# KiCad board V1.3.kicad_pcb
date: 2023-04-19; rev: 1.6.1; company: Antmicro Ltd; note: www.antmicro.com
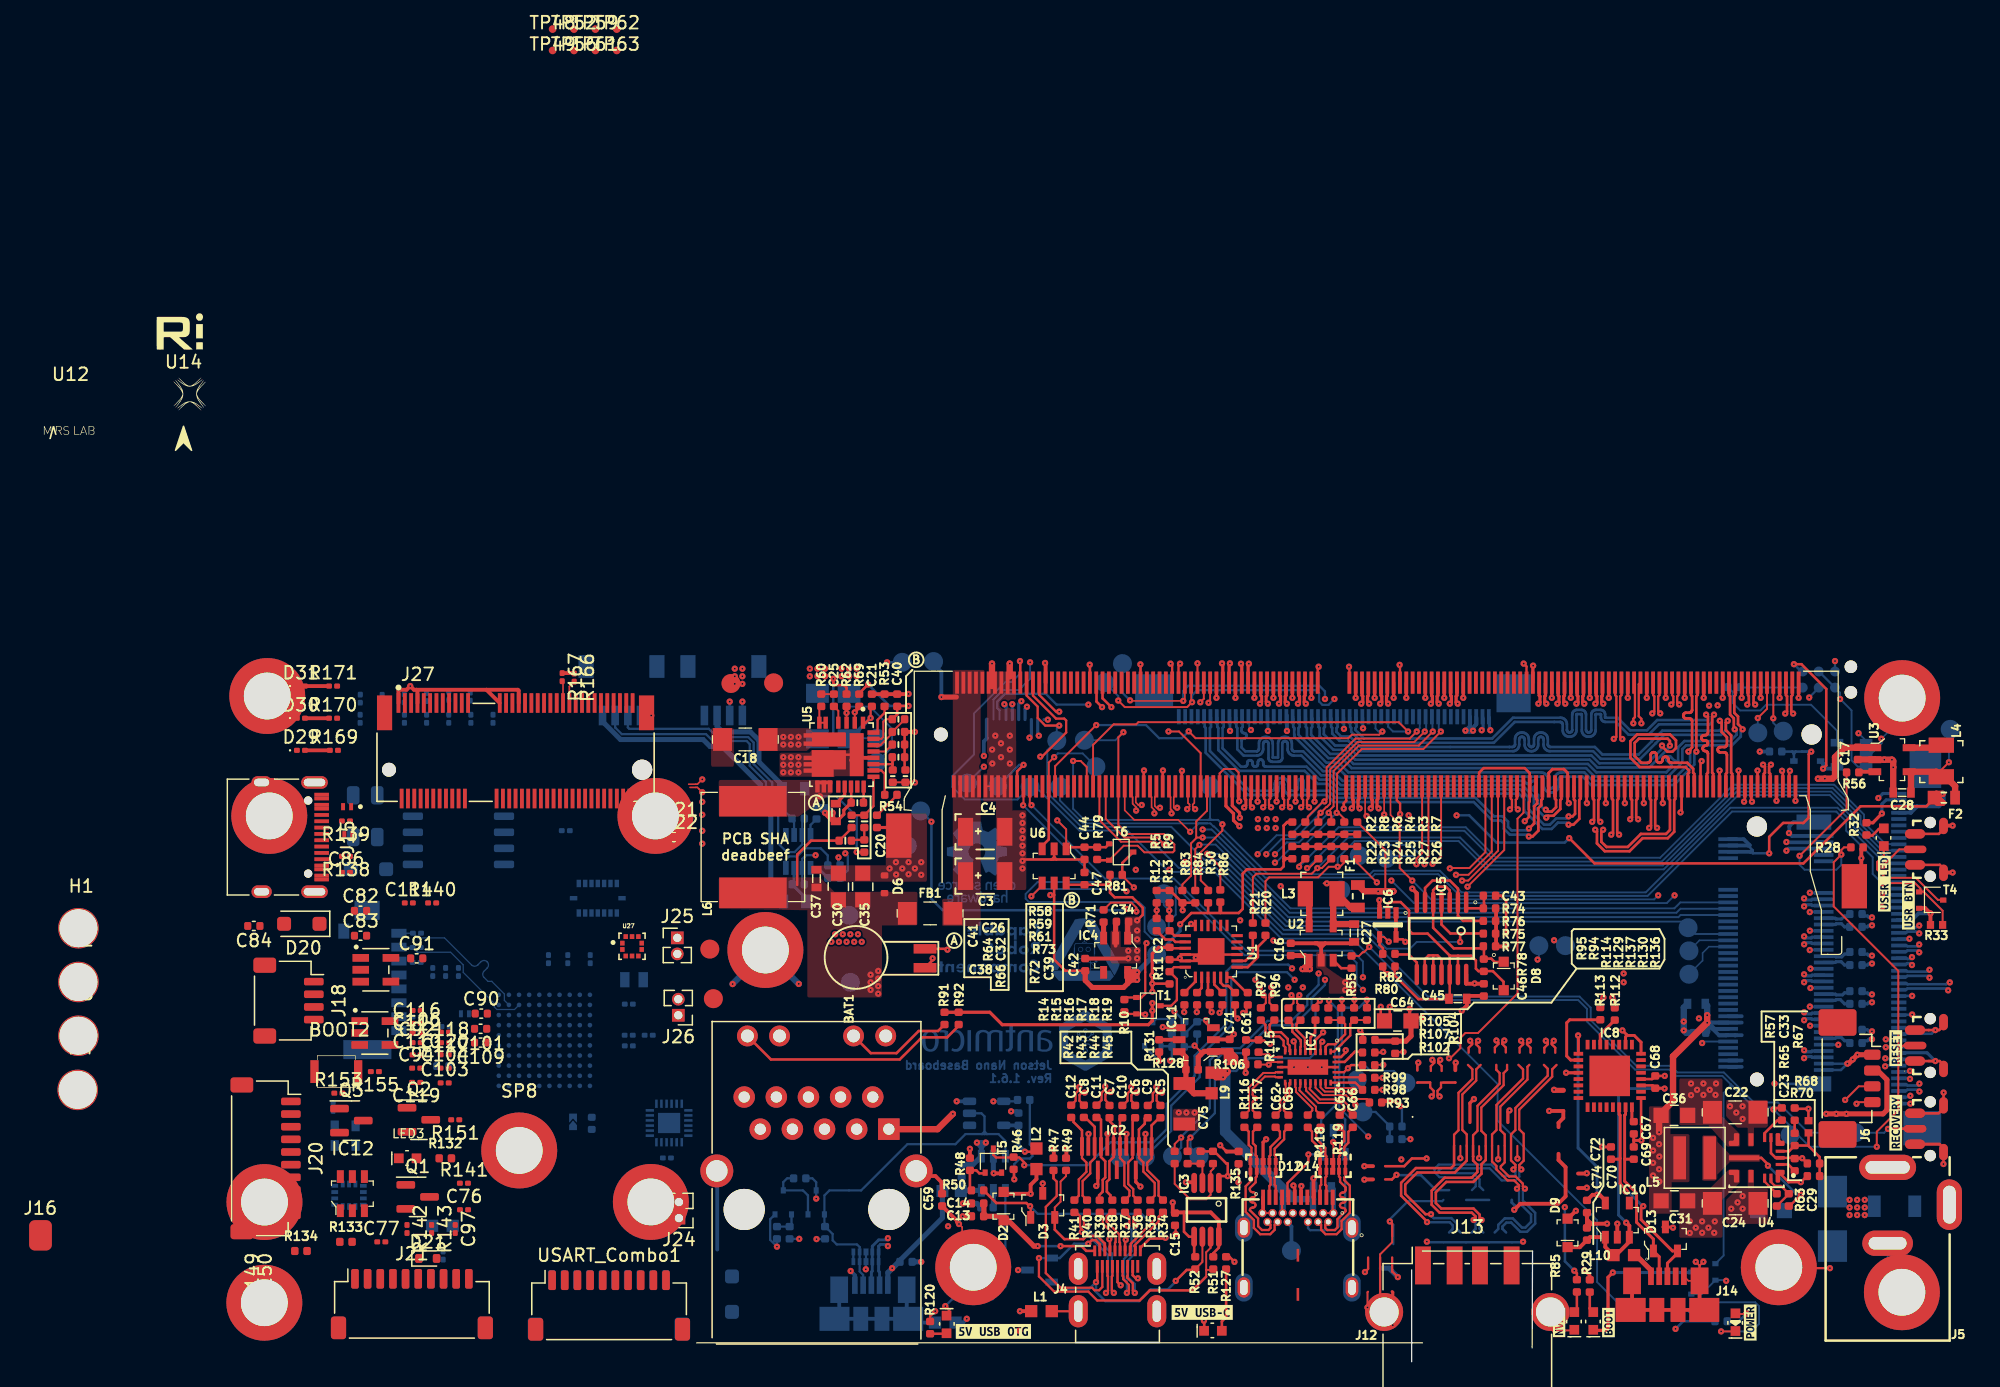
[diagram p0: board, top side]
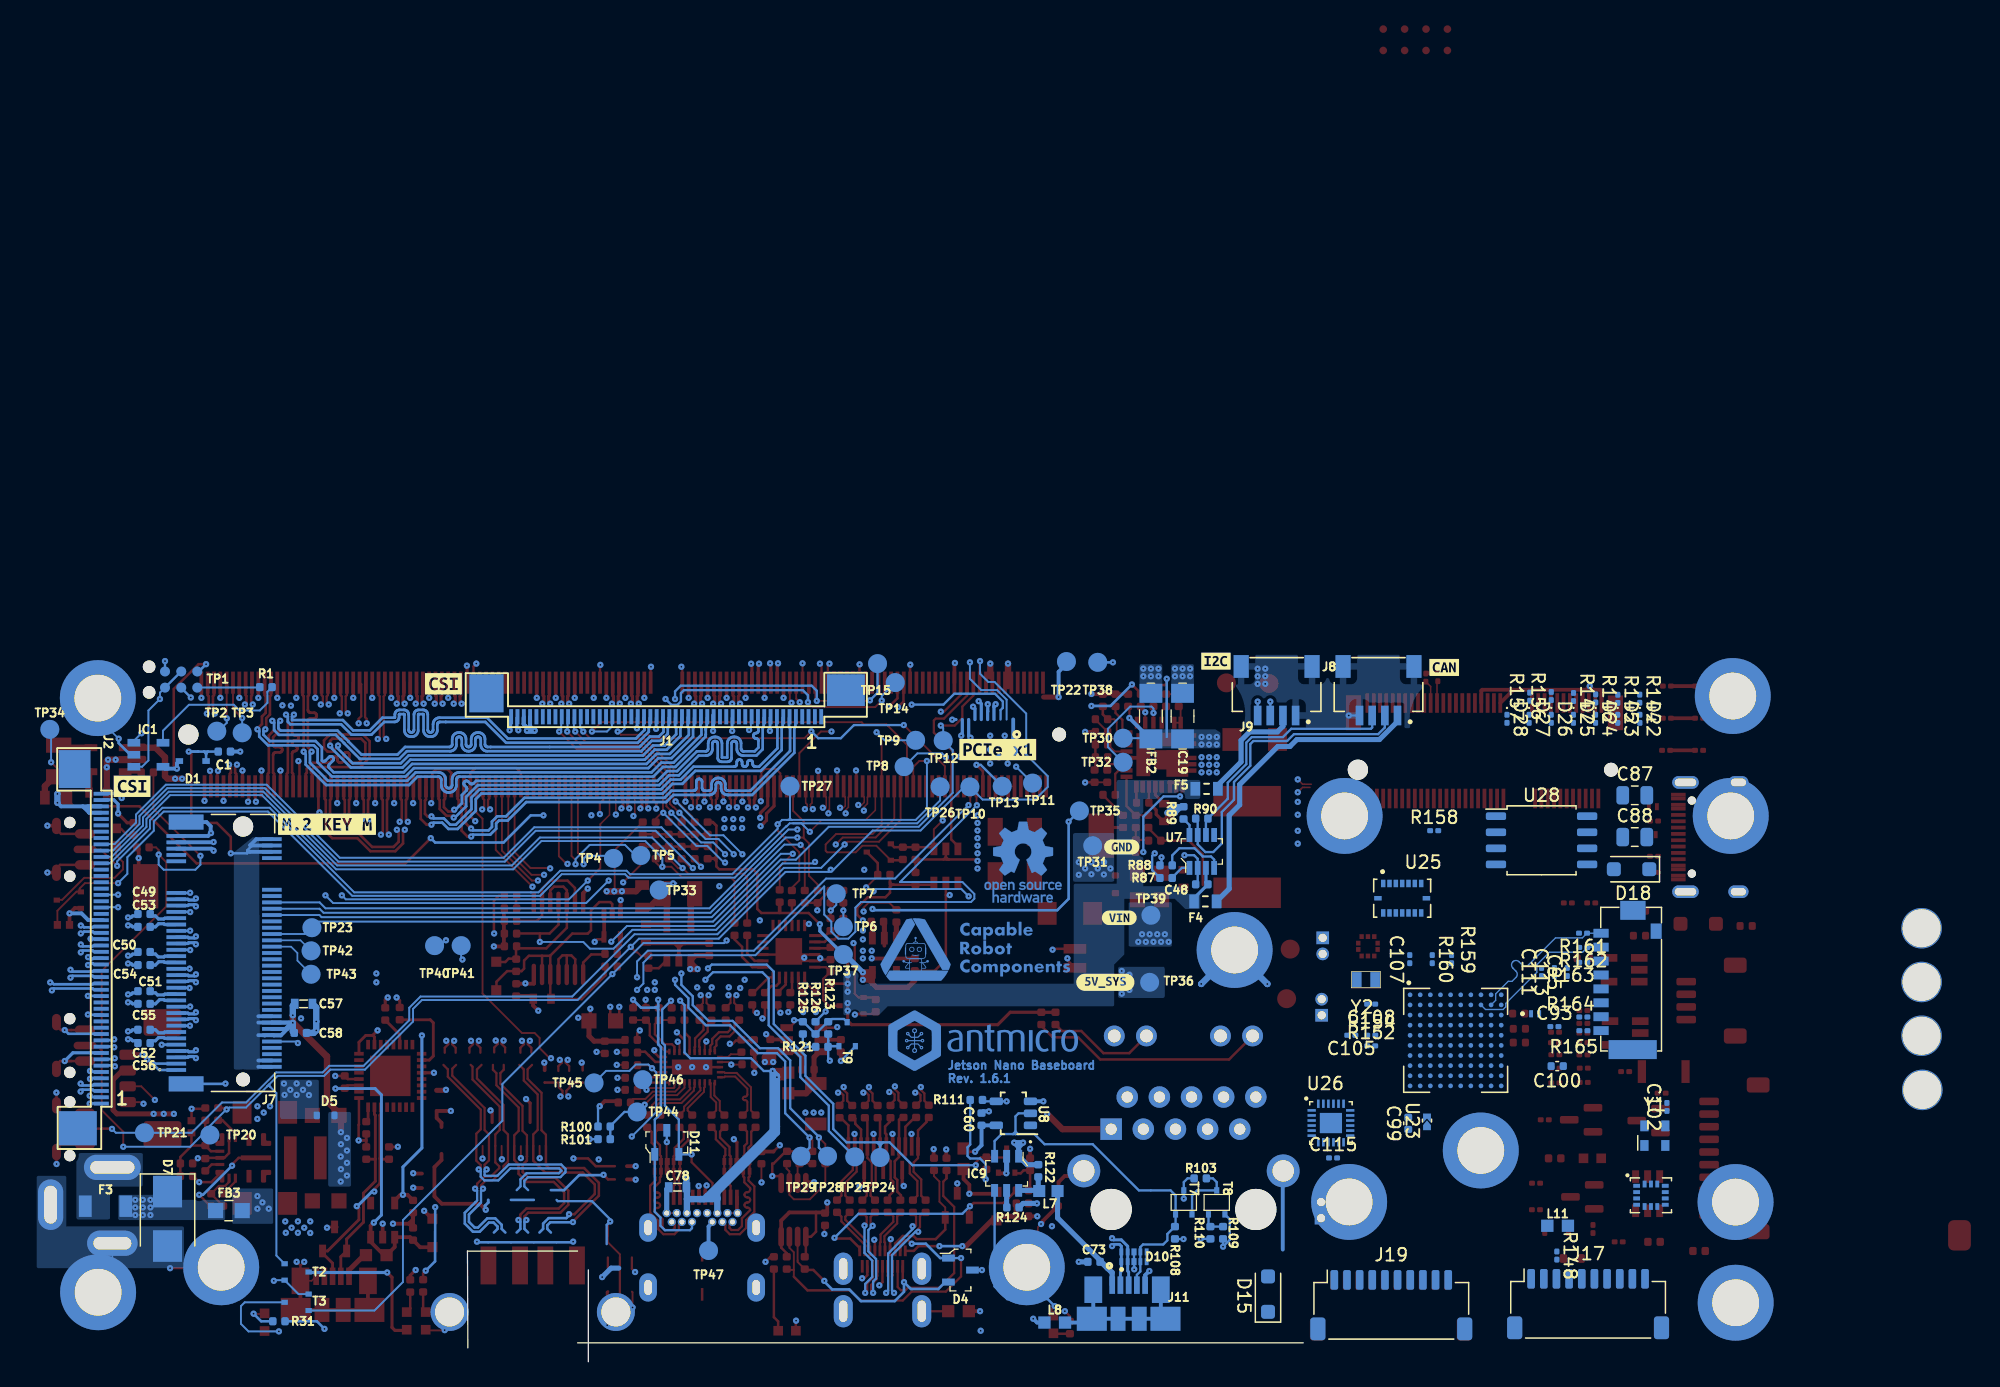
[diagram p1: board, bottom side, seen from below]

Outline 66.04 x 8.75 mm; copper layers: Top, In1.Cu (plane), In2.Cu (plane), In3_SIGNAL.Cu, In4_GND.Cu (plane), In5_3V3_SYS_SIGNAL.Cu, In6_GND.Cu (plane), Bottom. Coordinates in mm from the lower left corner of the outline.
Outline path: 0,1.49 57.34,1.49 ; 56.49,7.26 56.49,0 ; 57.34,8.75 66.04,8.75 66.01,1.09
Stack: Top 0.035mm / dielectric 0.1857mm FR4 er 4.5 / In1.Cu 0.035mm / dielectric 0.1857mm FR4 er 4.5 / In2.Cu 0.035mm / dielectric 0.1857mm FR4 er 4.5 / In3_SIGNAL.Cu 0.035mm / dielectric 0.1857mm FR4 er 4.5 / In4_GND.Cu 0.035mm / dielectric 0.1857mm FR4 er 4.5 / In5_3V3_SYS_SIGNAL.Cu 0.035mm / dielectric 0.1857mm FR4 er 4.5 / In6_GND.Cu 0.035mm / dielectric 0.1857mm FR4 er 4.5 / Bottom 0.035mm

## Placement (name value [footprint] x y rotation side)
BAT1  -  [MS621FE-FL11E]  18.04 31.9 90 top
BOOT1  ~  [LED0603]  70.84 3.17 90 top
BOOT2  TD-1183SN-1.5H(3x2.5)  [3x2.5PushButton]  -28.48 22.94 0 top
C1  C_100n_0402  [0402-cap]  85.25 48.24 0 bottom
C2  C_100n_0402  [0402-cap]  37.36 32.27 270 top
C3  C_330u_KEMET_B  [KEMET_B]  21.24 38.4 0 top
C4  C_330u_KEMET_B  [KEMET_B]  21.24 41.9 0 top
C5  C_100n_0402  [0402-cap]  36.64 19.77 270 top
C6  C_100n_0402  [0402-cap]  34.64 19.77 270 top
C7  C_100n_0402  [0402-cap]  32.62 19.77 270 top
C8  C_100n_0402  [0402-cap]  30.59 19.8 270 top
C9  C_100n_0402  [0402-cap]  35.64 19.77 270 top
C10  C_100n_0402  [0402-cap]  33.63 19.77 270 top
C11  C_100n_0402  [0402-cap]  31.59 19.8 270 top
C12  C_100n_0402  [0402-cap]  29.59 19.8 270 top
C13  C_4u7_0402  [0402-cap]  22.19 11.5 0 top
C14  C_4u7_0402  [0402-cap]  22.19 12.51 0 top
C15  C_100n_0402  [0402-cap]  37.79 11.27 90 top
C16  C_2u2_0402  [0402-cap]  46.94 32.6 90 top
C17  C_2u2_0402  [0402-cap]  91.74 48.1 270 top
C18  C_10u_1206_50V  [1206-cap]  3.84 49.2 180 top
C19  C_10u_1206_50V  [1206-cap]  9.54 51.05 90 bottom
C20  C_270p_25V_0402  [0402-res]  14.24 42.72 90 top
C21  C_100n_0402_50V  [0402-cap]  13.84 52.3 90 top
C22  C_10u_1206_50V  [1206-cap]  82.06 19.72 180 top
C23  C_1u_0402  [0402-cap]  86.76 15.58 90 top
C24  C_10u_1206_50V  [1206-cap]  82.06 12.52 180 top
C25  C_100n_0402  [0402-cap]  10.84 52.3 90 top
C26  C_33n_0402  [0402-cap]  12.69 44.2 180 top
C27  C_10u_0603  [0603-cap]  51.94 33.9 270 top
C28  C_10u_0603  [0603-cap]  95.24 45 180 top
C29  C_100n_0402  [0402-cap]  86.29 12.8 90 top
C30  C_47u_0805  [0805-cap]  11.19 37.57 90 top
C31  C_10u_0805  [0805-cap]  77.25 12.72 0 top
C32  C_1n2_50V_0402  [0402-res]  13.24 42.72 90 top
C33  C_6p_0402  [0402-cap]  86.76 19.58 270 top
C34  C_2u2_0402  [0402-cap]  33.65 34.79 180 top
C35  C_47u_0805  [0805-cap]  13.12 37.57 90 top
C36  C_47u_0805  [0805-cap]  77.25 19.48 0 top
C37  C_10u_0603  [0603-cap]  9.47 38.2 90 top
C38  C_1n2_50V_0402  [0402-res]  11.74 41.2 0 top
C39  C_100n_0402  [0402-cap]  16.49 46.3 270 top
C40  C_1u_0402  [0402-cap]  15.84 52.3 90 top
C41  C_4u7_0603  [0603-cap]  10.99 43.42 270 top
C42  C_1u_0402  [0402-cap]  30.7 31.39 90 top
C43  C_47n_0402  [0402-cap]  62.64 36.85 180 top
C44  C_100n_0402  [0402-cap]  30.64 40.2 90 top
C45  C_10u_0603  [0603-cap]  60.14 28.7 180 top
C46  C_100n_0402  [0402-cap]  62.19 29.4 90 top
C47  C_100n_0402  [0402-cap]  30.64 38.2 270 top
C48  C_100n_0402  [0402-cap]  8.02 37.74 180 bottom
C49  C_100n_0402  [0402-cap]  91.6 35.4 0 bottom
C50  C_100n_0402  [0402-cap]  91.6 32.4 0 bottom
C51  C_100n_0402  [0402-cap]  91.6 29.3 0 bottom
C52  C_100n_0402  [0402-cap]  91.6 26.25 0 bottom
C53  C_100n_0402  [0402-cap]  91.6 34.38 0 bottom
C54  C_100n_0402  [0402-cap]  91.6 31.36 0 bottom
C55  C_100n_0402  [0402-cap]  91.6 28.29 0 bottom
C56  C_100n_0402  [0402-cap]  91.6 25.2 0 bottom
C57  C_10u_0603  [0603-cap]  78.99 28.3 0 bottom
C58  C_100n_0402  [0402-cap]  79.24 26 0 bottom
C59  C_100p_0402  [0402-cap]  19.39 12.8 270 top
C60  C_100n_0402  [0402-cap]  25.42 19.17 270 bottom
C61  C_100n_0402  [0402-cap]  43.41 24.96 270 top
C62  C_100n_0402  [0402-cap]  45.74 19.02 90 top
C63  C_100n_0402  [0402-cap]  50.81 19.02 90 top
C64  C_47u_0805  [0805-cap]  55.39 26.95 0 top
C65  C_100n_0402  [0402-cap]  46.76 19.02 90 top
C66  C_100n_0402  [0402-cap]  51.84 19.02 90 top
C67  C_100n_0402  [0402-cap]  74.04 18.5 90 top
C68  C_100n_0402  [0402-cap]  75.74 22.11 270 top
C69  C_47p_0402  [0402-cap]  74.04 16.5 270 top
C70  C_47p_0402  [0402-cap]  72.24 16.5 270 top
C71  C_10u_0402  [0402-cap]  42.11 25 90 top
C72  C_1u_0402  [0402-cap]  70.34 12.27 90 top
C73  C_4u7_0402  [0402-cap]  16.54 7.9 180 bottom
C74  C_2u2_0402  [0402-cap]  70.34 10.1 270 top
C75  100u  [1206]  38.52 20.4 90 top
C76  1u  [C_0201_0603Metric]  -18.38 12.02 0 top
C77  120u  [C_0201_0603Metric]  -24.92 9.48 0 top
C78  C_10u_0603  [0603-cap]  49.44 13.79 180 bottom
C82  1uF(0402 16V 10%)  [C_0402_1005Metric]  -26.56 35.65 0 top
C83  1uF(0402 16V 10%)  [C_0402_1005Metric]  -26.56 33.68 0 top
C84  1uF(0402 16V 10%)  [C_0402_1005Metric]  -34.99 34.45 180 top
C86  100nF(0201 16V 10%)  [C_0201_0603Metric]  -27.71 38.69 0 top
C87  22uF(0805 35V 20%)  [C_0805_2012Metric]  -26.19 44.78 180 bottom
C88  22uF(0805 35V 20%)  [C_0805_2012Metric]  -26.19 41.48 180 bottom
C90  1uF(0402 10V 10%)  [C_0402_1005Metric]  -17.02 27.52 0 top
C91  1uF(0402 10V 10%)  [C_0402_1005Metric]  -22.12 31.89 0 top
C92  100nF(0201 10V 10%)  [C_0201_0603Metric]  -22.13 25.22 0 top
C93  100nF(0201 10V 10%)  [C_0201_0603Metric]  -19.84 26.49 180 bottom
C94  100nF(0201 10V 10%)  [C_0201_0603Metric]  -22.16 23.21 0 top
C95  100nF(0201 10V 10%)  [C_0201_0603Metric]  -20.86 30.81 90 bottom
C97  100nF(0201 10.0V 10%)  [C_0201_0603Metric]  -19.08 10.49 270 top
C99  2.2uF(0402 6.3V 10%)  [C_0402_1005Metric]  -8.29 18.85 90 bottom
C100  2.2uF(0402 6.3V 10%)  [C_0402_1005Metric]  -20.06 23.37 0 bottom
C101  4.7uF(0402 10V)  [C_0402_1005Metric]  -17.07 26.32 180 top
C102  15pF(0201 10V)  [C_0201_0603Metric]  -28.73 20.14 90 bottom
C103  100nF(0201 6.3V)  [C_0201_0603Metric]  -19.91 22.04 0 top
C104  1uF(0201 6.3V)  [C_0201_0603Metric]  -19.92 23.21 0 top
C105  100nF(0201 10V 10%)  [C_0201_0603Metric]  -3.79 25.81 0 bottom
C106  100nF(0201 10V 10%)  [C_0201_0603Metric]  -22.13 25.99 0 top
C107  12.0pF(0201 10V)  [C_0201_0603Metric]  -8.41 31.83 90 bottom
C108  12.0pF(0201 10V)  [C_0201_0603Metric]  -5.36 28.27 0 bottom
C109  2.2uF(0402 6.3V 10%)  [C_0402_1005Metric]  -17.07 25.23 180 top
C110  10nF(0201 10V 10%)  [C_0201_0603Metric]  -22.13 24.26 0 top
C111  100nF(0201 10V 10%)  [C_0201_0603Metric]  -18.82 30.81 90 bottom
C112  100nF(0201 10V 10%)  [C_0201_0603Metric]  -22.13 27.76 180 top
C113  100nF(0201 10V 10%)  [C_0201_0603Metric]  -19.84 30.81 90 bottom
C114  100nF(0201 10V 10%)  [C_0201_0603Metric]  -22.75 36.27 0 top
C115  100nF(0201 10V 10%)  [C_0201_0603Metric]  -2.35 16.11 180 bottom
C116  100.0nF(0201 10V)  [C_0201_0603Metric]  -22.13 26.75 0 top
C117  100nF(0201 10V)  [C_0201_0603Metric]  -19.89 26.05 180 top
C118  100.0nF(0201 10V)  [C_0201_0603Metric]  -19.88 25.22 0 top
C119  100nF(0201 10V 10%)  [C_0201_0603Metric]  -22.16 22.08 180 top
C120  100nF(0201 10V)  [C_0201_0603Metric]  -19.91 24.27 0 top
C121  100n  [C_0402_1005Metric]  -1.81 42.5 0 top
C122  100n  [C_0402_1005Metric]  -1.81 41.48 0 top
D1  diode  [SOD-323#2]  87.75 47.49 180 bottom
D2  1N4148WS  [SOD-323]  24.24 12.3 90 top
D3  PESD2USB5UV-TR  [SOT-23s]  27.34 12.36 90 top
D4  PESD2USB5UV-TR  [SOT-23s]  27.09 7.25 180 bottom
D5  ESD5B5_0ST1G  [SOD-523_NP]  77.25 19.48 180 bottom
D6  ESD5B5_0ST1G  [SOD-523_NP]  14.84 37.75 270 top
D7  SMBJ33A  [D_SMB]  89.74 11.3 270 bottom
D8  1N4148WS  [SOD-323]  63.77 30.5 270 top
D9  1N4148WS  [SOD-323]  68.81 10.19 90 top
D10  -  [TPD4E05U06_PASS]  13.38 8.3 180 bottom
D11  PESD2USB5UV-TR  [SOT-23s]  50.29 17.35 90 bottom
D12  -  [TPD4E05U06_PASS]  44.75 15.45 0 top
D13  PESD2USB5UV-TR  [SOT-23s]  76.54 9.71 90 top
D14  -  [TPD4E05U06_PASS]  50.25 15.45 180 top
D15  DSS34(3A 500mV)  [D_SOD-123F]  2.79 5.34 90 bottom
D16  PESD12VV1BL  [PESD12VV1BL_315]  -27.62 43.88 180 top
D17  -  [PESD5V0F1BL]  -18.32 27.51 180 bottom
D18  SMF30CA(30V)  [D_SOD-123F]  -25.94 38.94 0 bottom
D19  -  [PESD5V0F1BL]  -27.52 41.67 180 top
D20  DSS34(3A 500mV)  [D_SOD-123F]  -31.2 34.62 180 top
D21  BZX584C9V1  [D_SOD-523]  -21.25 8.16 0 top
D22  LED_Blue(0201)  [LED_0201_0603Metric]  -26.59 50.83 270 bottom
D23  LED_Blue(0201)  [LED_0201_0603Metric]  -24.84 50.83 270 bottom
D24  LED_Blue(0201)  [LED_0201_0603Metric]  -23.09 50.83 270 bottom
D25  LED_Blue(0201)  [LED_0201_0603Metric]  -21.34 50.83 270 bottom
D26  LED_RED(0201)  [LED_0201_0603Metric]  -19.59 50.83 270 bottom
D27  LED_BLUE(0201)  [LED_0201_0603Metric]  -17.84 50.83 270 bottom
D28  LED_Green(0201)  [LED_0201_0603Metric]  -16.09 50.83 270 bottom
D29  PWR LED  [LED_0201_0603Metric]  -31.27 48.34 0 top
D30  LED  [LED_0201_0603Metric]  -31.27 50.88 0 top
D31  LED  [LED_0201_0603Metric]  -31.27 53.42 0 top
F1  04671.25NR  [0603-Fuse-Littelfuse-0467]  52.24 36.8 90 top
F2  04671.25NR  [0603-Fuse-Littelfuse-0467]  98.54 44.6 0 top
F3  3413_0329_22  [1206]  94.64 12.3 180 bottom
F4  04671.25NR  [0603-Fuse-Littelfuse-0467]  7.74 36.4 180 bottom
F5  04671.25NR  [0603-Fuse-Littelfuse-0467]  7.64 45.3 180 bottom
FB1  74279221100  [1206-res]  18.44 35.45 0 top
FB2  74279221100  [1206-res]  12.04 51.05 270 bottom
FB3  74279220181  [0805-res]  84.89 11.95 180 bottom
H1  MountingHole_Pad  [M2MountingHole]  -48.85 34.27 0 top
H2  MountingHole_Pad  [M2MountingHole]  -48.85 30.02 0 top
H3  MountingHole_Pad  [M2MountingHole]  -48.85 25.77 0 top
H4  MountingHole_Pad  [M2MountingHole]  -48.91 21.49 0 top
IC1  AT24CS01-ST  [SOT23-5]  91.25 47.99 180 bottom
IC2  ~  [SON-15]  33.19 16.09 180 top
IC3  PCA9517ADP  [MSOP-8]  40.28 12.01 270 top
IC4  TPS7A0518PDBVT  [SOT-23-5]  33.1 32.14 180 top
IC5  74HC00PW  [TSSOP-14]  58.85 33.47 270 top
IC6  SN74LVC1G126DCKR  [R-PDSO-G5]  54.61 34.54 270 top
IC7  HD3SS3220  [RNH0030A]  48.29 23.29 270 top
IC8  ~  [QFN-32]  72.14 22.6 0 top
IC9  NCP380LSNAJAAT1G  [SOT-23-6]  23.44 14.9 0 bottom
IC10  TPS7A0518PDBVT  [SOT-23-5]  72.74 11.2 0 top
IC11  NCP380LSNAJAAT1G  [SOT-23-6]  39.47 25.46 90 top
IC12  NCP380LSNAJAAT1G  [SOT-23-6]  -27.21 13.29 0 top
J1  WE_68715014522  [WE_68715014522_ONE-SIDE]  50.34 50.4 0 bottom
J2  -  [WE_68715014022]  95.64 33.3 90 bottom
J4  46756-1001  [HDMI_Micro-D_Molex_46765-1x01]  33.25 3.99 0 top
J5  ~  [DC_SOCKET]  94.1 1.67 0 top
J6  533980471  [Molex_PicoBlade_53398-0471_1x04-1MP_P1.25mm_Vertical]  91.64 22.4 270 top
J7  ~  [MDT580M01001]  85.27 32.31 0 bottom
J8  -  [SM04B-SRSS-TB-LF-SN]  -5.94 51.09 0 bottom
J9  -  [SM04B-SRSS-TB-LF-SN]  2.11 51.09 0 bottom
J10  -  [SI-51005-F]  9.47 18.9 0 top
J11  ~  [CON-Molex-047346-0001]  13.8 4.79 180 bottom
J12  632723300011  [WE_632723300011]  47.5 7.37 0 top
J13  USB_A  [USB_A_TE_292303-7_Horizontal]  60.89 1.23 0 top
J14  ~  [CON-Molex-047346-0001]  76.7 5.49 0 top
J15  USB_C_Receptacle_USB2.0  [USB_C_Small]  -33.3 41.48 270 top
J16  GND  [Conn_1pin_Power]  -51.87 9.99 0 top
J17  UART_Combo  [01x10_MP_sh1.0_Hori]  -22.5 4.56 180 bottom
J18  Upper computer connector  [01x04_MP_sh1.0_Hori]  -32.25 28.55 270 top
J19  ESC  [01x10_MP_sh1.0_Hori]  -6.95 4.47 180 bottom
J20  ESC  [01x10_MP_sh1.0_Hori]  -34.06 16.08 270 top
J21  ESC  [01x10_MP_sh1.0_Hori]  -22.5 4.55 0 top
J23  Micro_SD_Card  [TF-SMD_TF-021B-H265]  -26.44 29.8 270 bottom
J24  Conn_01x02_Pin  [PinHeader_1x02_P1.27mm_Vertical]  -1.4 11.35 180 top
J25  Conn_01x02_Pin  [PinHeader_1x02_P1.27mm_Vertical]  -1.53 33.51 0 top
J26  Conn_01x02_Pin  [PinHeader_1x02_P1.27mm_Vertical]  -1.45 27.39 180 top
J27  Bus_M.2_Socket_E  [TE_2199119-4]  -14.31 46.8 0 top
kibuzzard-63D93AC1  G***  [kibuzzard-63D93AC1]  92.54 45.5 180 bottom
kibuzzard-63D93AC1#2  G***  [kibuzzard-63D93AC1]  67.94 53.6 180 bottom
kibuzzard-63D93ADB  G***  [kibuzzard-63D93ADB]  24.14 48.4 180 bottom
kibuzzard-63D93AF6  G***  [kibuzzard-63D93AF6]  -11.13 54.9 180 bottom
kibuzzard-63D93B6A  G***  [kibuzzard-63D93B6A]  14.54 35.1 180 bottom
kibuzzard-63D93B07  G***  [kibuzzard-63D93B07]  6.91 55.39 180 bottom
kibuzzard-63D93B47  G***  [kibuzzard-63D93B47]  14.34 40.7 180 bottom
kibuzzard-63D93B77  G***  [kibuzzard-63D93B77]  15.64 30 180 bottom
kibuzzard-63D93BB4  G***  [kibuzzard-63D93BB4]  77.14 42.5 180 bottom
kibuzzard-63D93C4B  G***  [kibuzzard-63D93C4B]  39.94 3.9 0 top
kibuzzard-63D93C7A  G***  [kibuzzard-63D93C7A]  68.14 3.1 90 top
kibuzzard-63D93C36  G***  [kibuzzard-63D93C36]  23.44 2.4 0 top
kibuzzard-63D93C97  G***  [kibuzzard-63D93C97]  72.04 3.1 90 top
kibuzzard-63D93CC5  G***  [kibuzzard-63D93CC5]  83.24 3.1 90 top
kibuzzard-63D93CF4  G***  [kibuzzard-63D93CF4]  93.84 37.8 90 top
kibuzzard-63D93D1C  G***  [kibuzzard-63D93D1C]  94.74 24.8 90 top
kibuzzard-63D93D10  G***  [kibuzzard-63D93D10]  95.74 36.1 90 top
kibuzzard-63D93D33  G***  [kibuzzard-63D93D33]  94.74 18.9 90 top
L1  BLM18SG121TN1D  [0603]  27.24 4 0 top
L2  BLM18SG121TN1D  [0603]  26.84 16.04 270 top
L3  -  [LQH32PN2R2NN0L]  49.34 37 0 top
L4  -  [LQH32PN2R2NN0L]  98.34 47.5 270 top
L5  XFL4020-222MEC  [XFL4015-122MEC]  78.86 16.12 0 top
L6  IHLP3232DZER3R3M01  [IHLP3232DZ]  4.44 40.7 270 top
L7  BLM18SG121TN1D  [0603#2]  20.14 13.5 180 bottom
L8  BLM18SG121TN1D  [0603]  19.64 3.1 180 bottom
L9  BLM18SG121TN1D  [0603]  40.69 22.04 90 top
L10  BLM18SG121TN1D  [0603]  73.25 8.42 180 top
L11  BLM18SG121TN1D  [0603]  -20.09 10.75 180 bottom
LED1  ~  [LED0603]  19.74 3 270 top
LED2  ~  [LED0603]  40.74 2.45 0 top
LED3  ~  [LED0603]  -22.89 16.08 0 top
M1  ~  [jetson-nano-connector]  85.49 7.59 0 top
M2  ~  [jetson-nano-module]  85.48 7.46 0 top
M2#2  ~  [jetson-nano-module]  85.48 7.46 0 top
N1  antmicro_logo  [antmicro-logo_scaled_15mm]  24.85 25.31 180 bottom
N2  crc_logo  [CRC_logo_15mm]  26.04 32.6 180 bottom
N3  oshw_logo  [oshw-logo]  22.14 39.5 180 bottom
NVME1  ~  [LED0603]  69.34 3.17 90 top
PWR1  ~  [LED0603]  82.07 3.07 90 top
Q1  AP40P05  [SOT-23]  -22.05 13.03 0 top
Q2  SS8050(NPN BEC)  [SOT-23]  -21.95 19.13 0 top
Q3  SS8050(NPN BEC)  [SOT-23]  -27.28 19.06 0 top
R1  R_0R_0402  [0402-res]  81.97 53.33 0 bottom
R2  R_0R_0402  [0402-res]  47.06 42.18 90 top
R3  R_2k_0402  [0402-res]  51.17 42.18 90 top
R4  R_2k_0402  [0402-res]  50.14 42.18 90 top
R5  R_2k_0402  [0402-res]  36.34 36.77 270 top
R6  R_2k_0402  [0402-res]  49.12 42.18 90 top
R7  R_0R_0402  [0402-res]  52.19 42.18 90 top
R8  R_2k_0402  [0402-res]  48.09 42.18 90 top
R9  R_2k_0402  [0402-res]  37.36 36.77 270 top
R10  R_100k_0402  [0402-res]  33.79 28.15 90 top
R11  R_10k_0402  [0402-res]  37.36 30.35 90 top
R12  R_0R_0402  [0402-res]  36.34 34.56 90 top
R13  R_0R_0402  [0402-res]  37.36 34.56 90 top
R14  R_0R_0402  [0402-res]  38.54 28.7 90 top
R15  R_0R_0402  [0402-res]  39.54 28.7 90 top
R16  R_0R_0402  [0402-res]  40.54 28.7 90 top
R17  R_0R_0402  [0402-res]  41.54 28.7 90 top
R18  R_0R_0402  [0402-res]  42.54 28.7 90 top
R19  R_0R_0402  [0402-res]  43.54 28.7 90 top
R20  R_0R_0402  [0402-res]  44.94 34.2 270 top
R21  R_0R_0402  [0402-res]  43.94 34.2 270 top
R22  R_0R_0402  [0402-res]  47.06 40.25 270 top
R23  R_2k_0402  [0402-res]  48.09 40.25 270 top
R24  R_2k_0402  [0402-res]  49.12 40.25 270 top
R25  R_2k_0402  [0402-res]  50.14 40.25 270 top
R26  R_0R_0402  [0402-res]  52.19 40.25 270 top
R27  R_2k_0402  [0402-res]  51.17 40.25 270 top
R28  R_100k_0402  [0402-res]  91.68 40.67 0 top
R29  R_470R_0402  [0402-res]  70.57 5.99 90 top
R30  R_100k_0402  [0402-res]  40.41 36.77 90 top
R31  R_470R_0402  [0402-res]  80.94 3.2 180 bottom
R32  R_470R_0402  [0402-res]  92.43 42.13 90 top
R33  100k  [0402]  97.96 34.54 180 top
R34  R_5R6_0402  [0402-res]  36.84 12.3 270 top
R35  R_5R6_0402  [0402-res]  35.84 12.3 270 top
R36  R_5R6_0402  [0402-res]  34.84 12.29 270 top
R37  R_5R6_0402  [0402-res]  33.84 12.29 270 top
R38  R_5R6_0402  [0402-res]  32.84 12.29 270 top
R39  R_5R6_0402  [0402-res]  31.84 12.29 270 top
R40  R_5R6_0402  [0402-res]  30.84 12.29 270 top
R41  R_5R6_0402  [0402-res]  29.84 12.29 270 top
R42  R_0R_0402  [0402-res]  37.77 16.15 90 top
R43  R_0R_0402  [0402-res]  38.79 16.15 90 top
R44  R_2k_0402  [0402-res]  39.81 16.15 270 top
R45  R_2k_0402  [0402-res]  40.79 16.15 270 top
R46  R_2k_0402  [0402-res]  25.04 15.7 90 top
R47  R_0R_0402  [0402-res]  28.19 15.61 270 top
R48  R_2k_0402  [0402-res]  21.59 15.61 90 top
R49  R_2k_0402  [0402-res]  29.18 15.61 90 top
R50  R_0R_0402  [0402-res]  22.19 13.55 180 top
R51  R_2k_0402  [0402-res]  40.81 7.81 270 top
R52  R_2k_0402  [0402-res]  39.39 7.81 270 top
R53  R_2k_0402  [0402-res]  14.84 52.3 90 top
R54  R_316k_0402  [0402-res]  15.34 44.82 0 top
R55  R_10k_0402  [0402-res]  51.74 31.6 90 top
R56  R_10k_0402  [0402-res]  91.34 46.6 180 top
R57  R_10k_0402  [0402-res]  85.74 19.58 90 top
R58  R_0R_0402  [0402-res]  15.94 50.8 180 top
R59  R_60k4_1%_0402  [0402-res]  15.94 49.8 0 top
R60  R_3R3_0402  [0402-res]  9.84 52.3 270 top
R61  R_26k7_0402  [0402-res]  15.94 48.8 0 top
R62  R_100k_0402  [0402-res]  11.84 52.3 90 top
R63  R_100R_0402  [0402-res]  85.34 12.8 270 top
R64  R_0R_0402  [0402-res]  12.24 42.72 90 top
R65  R_1k_0402  [0402-res]  86.76 17.58 270 top
R66  R_8k66_1%_0402  [0402-res]  13.24 40.77 90 top
R67  R_100k_1%_0402  [0402]  87.85 18.58 270 top
R68  R_44k2_0402  [0402-res]  88.24 15.68 180 top
R69  R_100k_0402  [0402-res]  12.84 52.3 270 top
R70  R_0R_0402  [0402-res]  88.24 14.68 0 top
R71  R_0R_0402  [0402-res]  32.15 35.24 90 top
R72  R_52k3_0402  [0402-res]  15.49 46.3 90 top
R73  R_10k_0402  [0402-res]  15.94 47.8 0 top
R74  R_200k_0402  [0402-res]  62.64 35.85 0 top
R75  R_200k_0402  [0402-res]  62.64 33.85 0 top
R76  R_1k_0402  [0402-res]  62.64 34.85 180 top
R77  R_1k_0402  [0402-res]  62.64 32.85 180 top
R78  R_470k_0402  [0402-res]  62.19 31.35 270 top
R79  R_10k_0402  [0402-res]  31.64 40.2 270 top
R80  R_1k_0402  [0402-res]  54.69 31.25 0 top
R81  R_10k_0402  [0402-res]  33.14 38.5 180 top
R82  R_0R_0402  [0402-res]  54.69 32.25 0 top
R83  R_10k_0402  [0402-res]  38.38 36.77 270 top
R84  R_10k_0402  [0402-res]  39.39 36.77 270 top
R85  R_220R_0402  [0402-res]  69.55 6 90 top
R86  R_10k_0402  [0402-res]  41.37 36.82 270 top
R87  R_0R_0402  [0402-res]  10.84 38.25 0 bottom
R88  R_0R_0402  [0402-res]  10.84 39.25 0 bottom
R89  R_0R_0402  [0402-res]  9.47 43.39 270 bottom
R90  R_120R_0402  [0402-res]  8.02 42.94 0 bottom
R91  R_220R_0402  [0402-res]  19.58 27.14 90 top
R92  R_220R_0402  [0402-res]  20.7 27.14 270 top
R93  R_200k_0402  [0402-res]  53.64 20.5 0 top
R94  R_0R_0402  [0402-res]  47.71 27.49 270 top
R95  R_0R_0402  [0402-res]  46.76 27.47 270 top
R96  R_0R_0402  [0402-res]  45.64 27.5 270 top
R97  R_0R_0402  [0402-res]  44.57 27.49 270 top
R98  R_0R_0402  [0402-res]  53.09 21.5 180 top
R99  R_0R_0402  [0402-res]  53.09 22.45 180 top
R100  R_0R_0402  [0402-res]  55.24 18.6 0 bottom
R101  R_0R_0402  [0402-res]  55.24 17.6 180 bottom
R102  R_0R_0402  [0402-res]  53.09 23.45 180 top
R103  R_0R_0402  [0402-res]  8.14 14.5 0 bottom
R104  R_10k_0402  [0402-res]  55.19 24.86 270 top
R105  R_2k_0402  [0402-res]  53.11 25.44 180 top
R106  R_0R_0402  [0402-res]  43.86 23.51 0 top
R107  R_0R_0402  [0402-res]  53.09 24.45 180 top
R108  R_10k_0402  [0402-res]  10.14 10.2 270 bottom
R109  R_2k_0402  [0402-res]  6.34 10.2 270 bottom
R110  R_10k_0402  [0402-res]  7.34 10.2 90 bottom
R111  R_10k_0402  [0402-res]  25.83 20.7 180 bottom
R112  R_22R_0402  [0402-res]  72.54 27.5 90 top
R113  R_22R_0402  [0402-res]  71.4 27.52 90 top
R114  R_909k_0402  [0402-res]  48.89 27.49 90 top
R115  R_200k_0402  [0402-res]  44.4 24.96 90 top
R116  R_0R_0402  [0402-res]  43.28 19.02 270 top
R117  R_0R_0402  [0402-res]  44.29 19.02 270 top